# Altium PCB balenaFin_v1_x_x.PcbDoc (part 5 of 7) (continued)
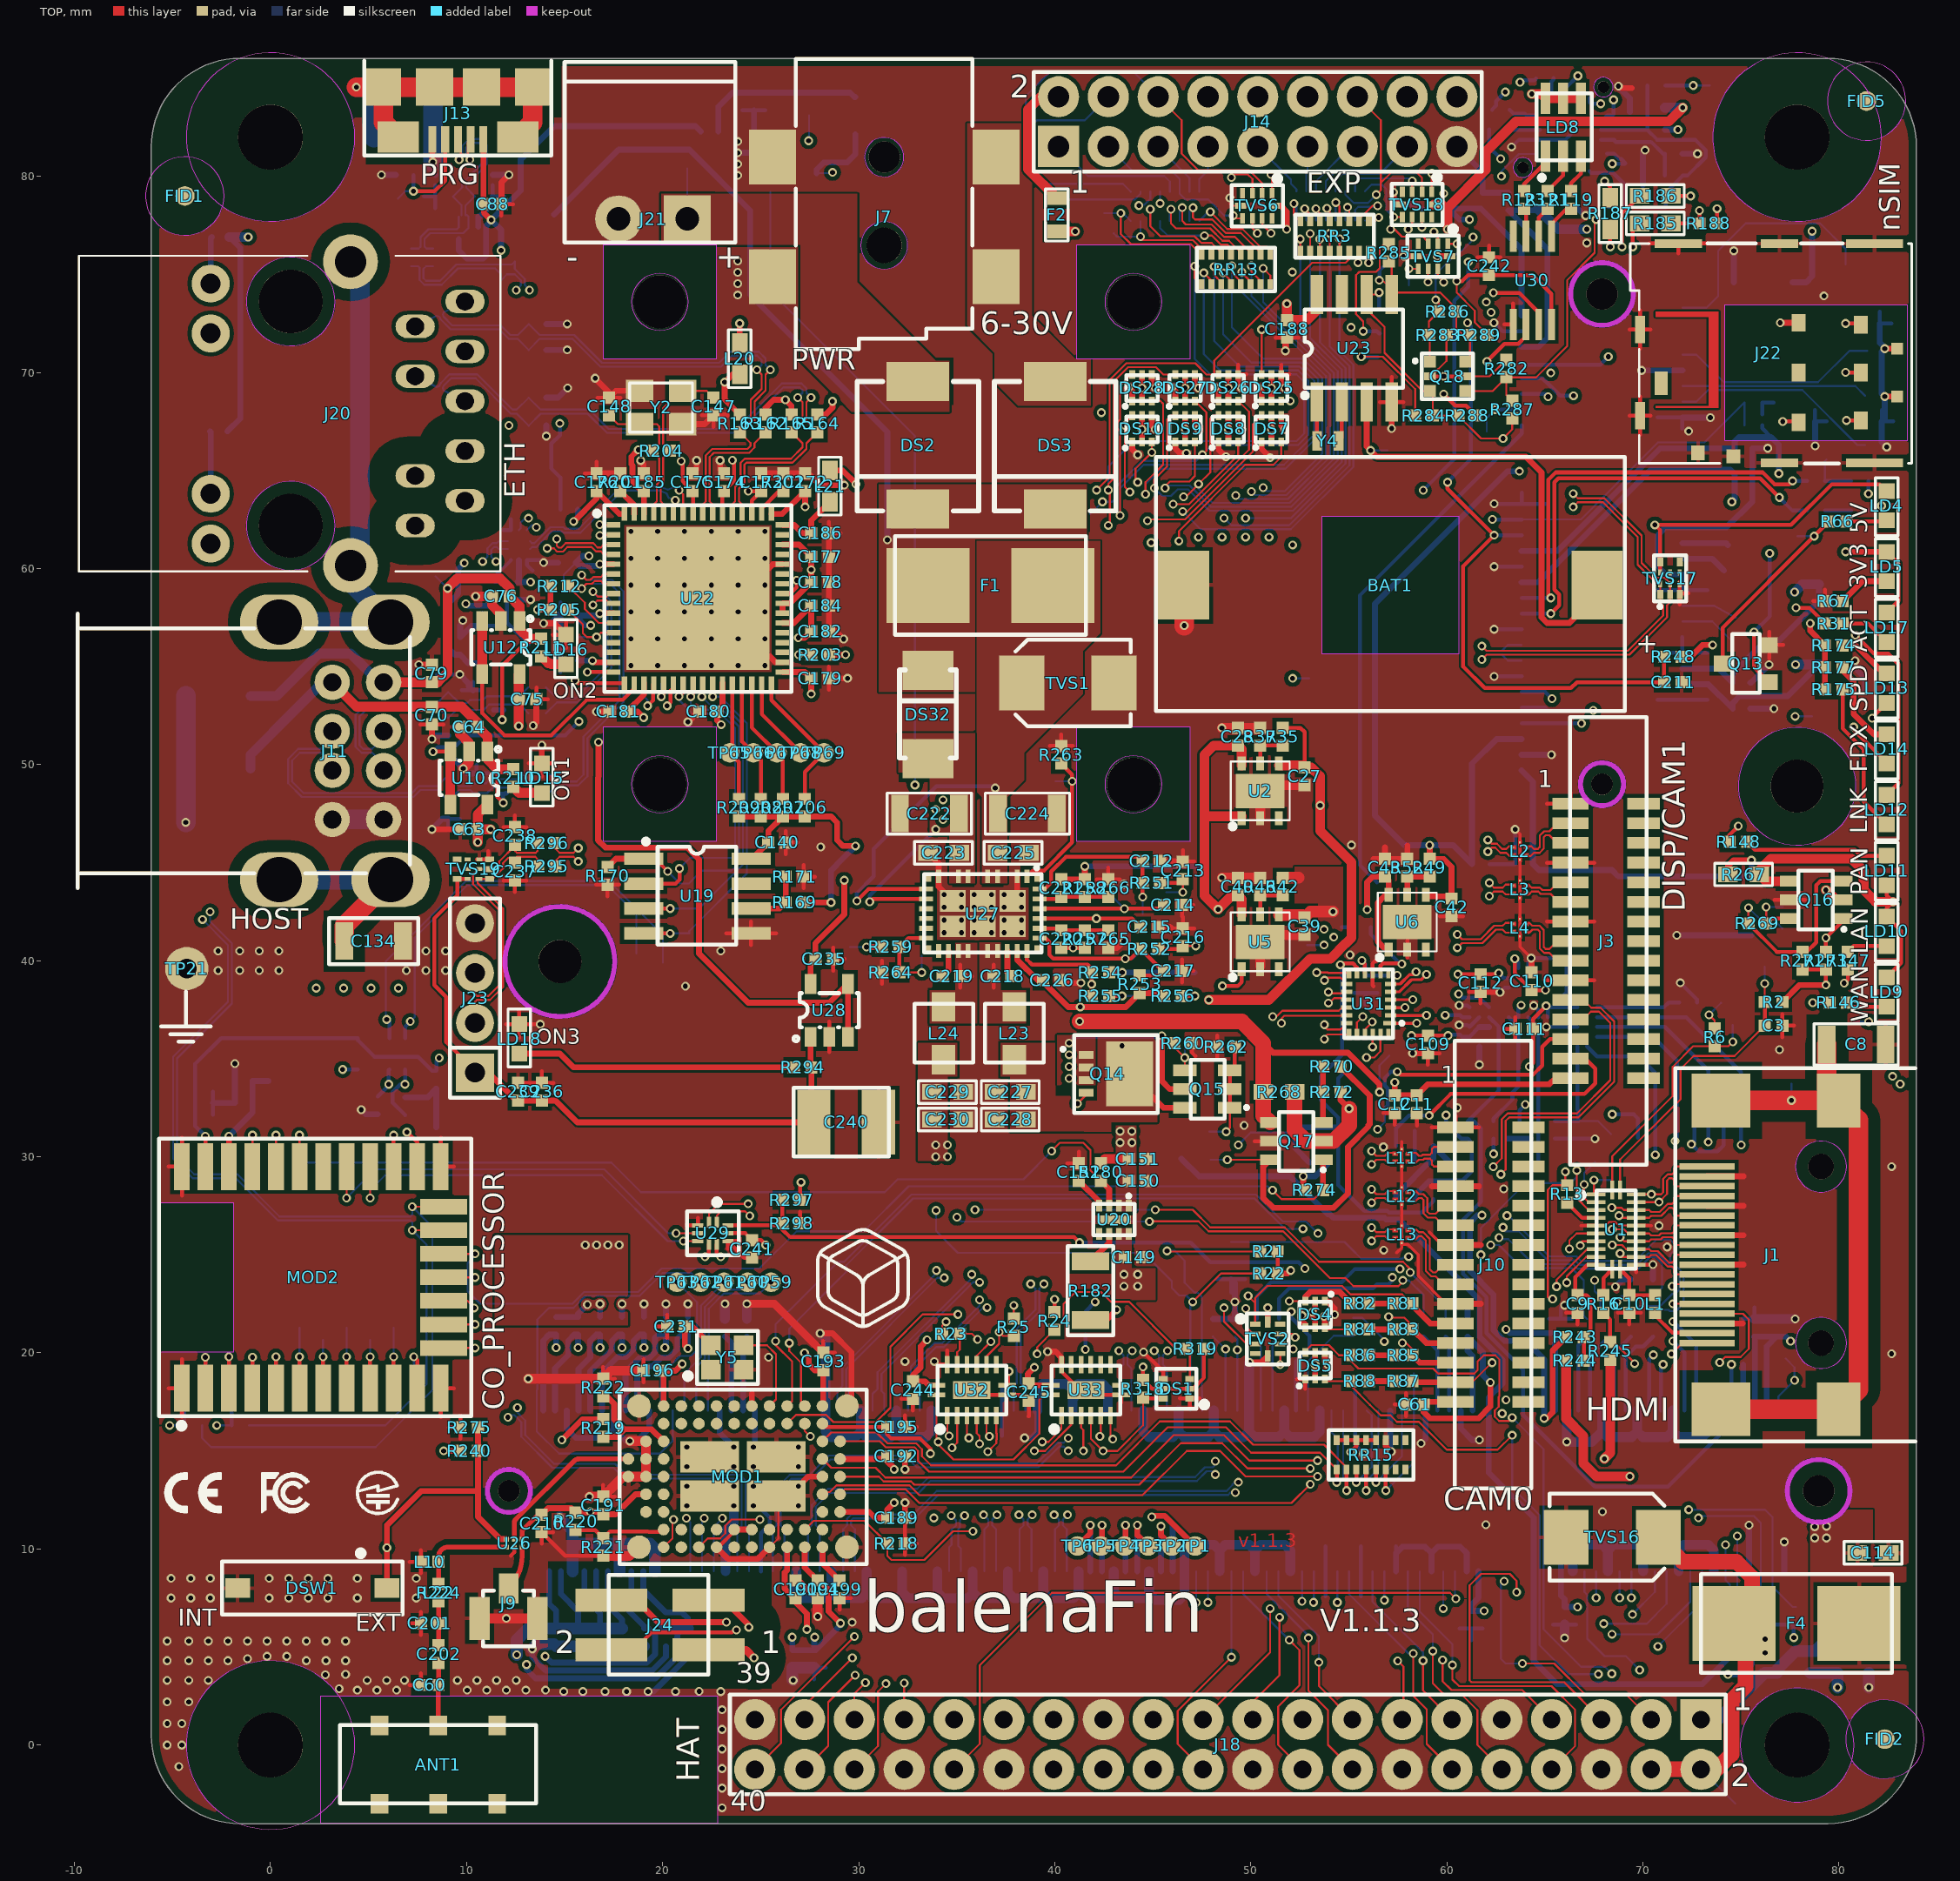
[diagram p0: TOP view]
## Nets (pads, with @x,y where several pads share a name; then routed paths per layer and width w, separated by ;. In a path a pad name is that pad's centre, name@x,y a point inside that pad or via, vN(x,y) a via of type N, cw(c..) or ccw(c..) an arc to the next point about the centre after c; other vN are vias at no path point) (continued)
NetC212_2: C212.2 pad.1@44.48,42.398 R251.1 R256.1 U27.32 | length 15.8
  TOP w0.2: U27.32@39.23,43.65 39.48,43.65 39.82,43.99 39.82,44.543 40.577,45.3 44.26,45.3 C212.2@44.48,45.08 R251.1@44.48,43.96 v1(44.48,43.25) ; R256.1@46.48,38.2 v1(47.142,38.2)
  INT1 w0.2: v1(44.48,43.25) 46.48,41.25 46.48,38.862 v1(47.142,38.2)
  BOTTOM w0.1: pad.1@44.48,42.398 v1(44.48,43.25)
NetC213_2: C213.2 pad.1@45.678,43.49 R251.2 | length 2.7
  TOP w0.1: v1(46.53,43.49) C213.2@46.53,44.15
  TOP w0.2: R251.2@45.38,43.96 46.34,43.96 C213.2@46.53,44.15
  BOTTOM w0.1: pad.1@45.678,43.49 v1(46.53,43.49)
NetC214_2: C214.2 pad.1@42.948,43.252 U27.30 | length 7.3
  TOP w0.2: U27.30@39.23,42.65 v1(43.55,42.65) 45.39,42.65 C214.2@45.58,42.84
  BOTTOM w0.1: pad.1@42.948,43.252 v1(43.55,42.65)
NetC215_2: C215.2 pad.1@41.268,42.15 U27.29 | length 6.2
  TOP w0.2: U27.29@39.23,42.15 v1(42.12,42.15) 43.95,42.15 C215.2@44.38,41.72
  BOTTOM w0.1: pad.1@41.268,42.15 v1(42.12,42.15)
NetC216_2: C216.2 pad.1@46.34,40.75 R252.2 | length 2.8
  TOP w0.1: C216.2@46.53,40.75 v1(47.192,40.75)
  TOP w0.2: R252.2@45.28,40.6 46.38,40.6 C216.2@46.53,40.75
  BOTTOM w0.1: pad.1@46.34,40.75 v1(47.192,40.75)
NetC217_2: C217.2 pad.1@44.367,40.471 R252.1 R253.1 U27.27 | length 10.1
  TOP w0.2: U27.27@39.23,41.15 39.53,41.15 39.73,40.95 39.73,40.3 39.93,40.1 v1(43.6,40.1) 43.88,40.1 R252.1@44.38,40.6 44.38,40.597 45.497,39.48 C217.2@45.58,39.48 45.35,39.25 R253.1@44.33,39.25
  BOTTOM w0.1: v1(43.6,40.1) 43.984,40.1 44.355,40.471 pad.1@44.367,40.471
NetC218_1: C218.1 U27.24 | length 1.4
  TOP w0.3: U27.24@37.58,40.5 37.58,39.4 C218.1@37.78,39.2
NetC218_2: C218.2 L23.1 U27.22 U27.23 | length 1.2
  TOP w0.2: 36.88,38.612 C218.2@36.88,39.2 36.88,39.788
NetC219_1: C219.1 U27.18 | length 1.4
  TOP w0.3: C219.1@34.28,39.2 34.58,39.5 U27.18@34.58,40.5
NetC219_2: C219.2 L24.1 U27.19 U27.20 | length 1.8
  TOP w0.2: 35.18,38.612 C219.2@35.18,39.2 ; 35.18,39.788 C219.2@35.18,39.2 ; 35.768,39.2 C219.2@35.18,39.2
NetC226_1: C226.1 pad.1@29.548,40.7 R253.2 R256.2 R259.2 U27.25 | length 32.8
  TOP w0.3: v1(30.4,40.7) R259.2@31.18,40.7 ; U27.25@38.08,40.5 38.08,40.05 39.13,39 C226.1@39.4,39 39.4,38.926 40.686,37.64 v1(41.3,37.64) 43.62,37.64 R253.2@44.33,38.35 45.43,38.35 R256.2@45.58,38.2
  INT1 w0.3: v1(30.4,40.7) 31.06,40.7 31.66,40.1 31.66,34.26 32.56,33.36 40.79,33.36 41.87,34.44 41.87,37.07 v1(41.3,37.64)
  BOTTOM w0.1: pad.1@29.548,40.7 v1(30.4,40.7)
NetDS2_1: DS2.1 DS3.1 DS32.1 DS33.1 F1.1 | length 32.4
  BOTTOM w0.3: DS33.1@14.46,78.06 17.76,81.36 21.361,81.36 24.46,78.261 24.46,73.96 31.46,66.96 v1(31.46,61.46)
NetDSW1_2: DSW1.2 pad.1@5.94,10.912 R240.1 R275.2 U26.6 | length 15.9
  TOP w0.3: DSW1.2@5.94,8 v1(5.94,10.06) 5.94,11.21 7.68,12.95 10.58,12.95 ; R275.2@10.58,16.2 R240.1@10.58,15 10.58,12.95 ; U26.6@12.03,10.5 11.72,10.5 10.58,11.64 10.58,12.95
  BOTTOM w0.2: v1(5.94,10.06) pad.1@5.94,10.912
NetF2_1: F2.1 J14.2 | length 7
  TOP w0.5: F2.1@40.1,78.89 38.63,80.36 38.63,83.4 39.29,84.06 J14.2@40.19,84.06
NetJ1_18: J1.18 L1.2 | length 3.2
  TOP w0.2: L1.2@70.62,22.04 70.62,21.909 71.504,21.025 73.245,21.025 J1.18@73.27,21
NetJ2_28: J2.28 R8.1 | length 4.6
  BOTTOM w0.2: J2.28@69.11,17.06 69.11,19.79 69.64,20.32 70,20.32 R8.1@70.51,20.83
NetJ2_30: J2.30 R9.1 | length 4.1
  BOTTOM w0.2: J2.30@68.51,17.06 68.51,19.95 R9.1@69.39,20.83
NetJ2_34: J2.34 R11.1 | length 4.2
  BOTTOM w0.2: J2.34@67.31,17.06 67.31,19.87 R11.1@68.27,20.83
NetJ2_36: J2.36 R12.1 | length 4
  BOTTOM w0.2: J2.36@66.71,17.06 66.71,20.39 R12.1@67.15,20.83
NetJ2_46: J2.46 R14.1 | length 3.8
  BOTTOM w0.2: R14.1@59.93,20.83 60.11,20.65 J2.46@60.11,17.06
NetJ2_48: J2.48 R15.1 | length 4.1
  BOTTOM w0.2: R15.1@58.81,20.83 59.51,20.13 J2.48@59.51,17.06
NetJ2_70: J2.70 R293.1 | length 5.4
  BOTTOM w0.1: J2.70@52.91,17.06 52.91,19.24 52.905,19.245 52.905,19.555 54.23,20.88 R293.1@55.23,20.88
NetJ2_76: J2.76 R17.1 | length 3.9
  BOTTOM w0.1: J2.76@51.11,17.06 51.11,20.51 R17.1@51.43,20.83
NetJ2_78: J2.78 R19.1 | length 3.9
  BOTTOM w0.1: R19.1@50.31,20.83 50.51,20.63 J2.78@50.51,17.06
NetJ2_88: J2.88 pad.1@46.62,23.58 Q1.3 R21.1 | length 14
  TOP w0.1: v1(45.73,25.2) 45.76,25.17 R21.1@50.47,25.17
  BOTTOM w0.1: v1(45.73,25.2) 46.12,25.2 Q1.3@46.62,24.7 pad.1@46.62,23.58 47.125,23.075 47.285,23.075 47.505,22.855 47.505,18.065 47.51,18.06 J2.88@47.51,17.06
NetJ2_93: J2.93 TP1.1 | length 6.5
  TOP w0.3: v1(44.95,11.63) 45.007,11.687 45.607,11.687 47.144,10.15 TP1.1@47.16,10.15
  BOTTOM w0.3: v1(44.95,11.63) 45.007,11.687 45.607,11.687 46.01,11.284 J2.93@46.01,8.86
NetJ2_95: J2.95 TP2.1 | length 3.5
  TOP w0.3: v1(45.419,11.157) 45.41,11.148 45.41,10.7 TP2.1@45.96,10.15
  BOTTOM w0.3: J2.95@45.41,8.86 45.41,11.148 v1(45.419,11.157)
NetJ2_99: J2.99 TP3.1 | length 3.6
  TOP w0.3: v1(44.21,11.212) 44.21,10.7 TP3.1@44.76,10.15
  BOTTOM w0.3: J2.99@44.21,8.86 v1(44.21,11.212)
NetJ2_101: J2.101 TP4.1 | length 3.4
  TOP w0.3: TP4.1@43.56,10.15 43.61,10.2 v1(43.61,11.212)
  BOTTOM w0.3: J2.101@43.61,8.86 v1(43.61,11.212)
NetJ2_105: J2.105 TP5.1 | length 3.4
  TOP w0.3: TP5.1@42.36,10.15 42.41,10.2 v1(42.41,11.212)
  BOTTOM w0.3: J2.105@42.41,8.86 v1(42.41,11.212)
NetJ2_107: J2.107 TP6.1 | length 3.7
  TOP w0.3: TP6.1@41.16,10.15 41.81,10.8 v1(41.81,11.212)
  BOTTOM w0.3: J2.107@41.81,8.86 v1(41.81,11.212)
NetJ2_166: J2.166 R28.1 | length 3.8
  BOTTOM w0.3: J2.166@24.11,17.06 24.11,20.64 R28.1@24.3,20.83
NetJ2_168: J2.168 R29.1 | length 3.9
  BOTTOM w0.3: R29.1@23.18,20.83 23.51,20.5 J2.168@23.51,17.06
NetJ9_1: J9.1 U26.3 | length 2.3
  TOP w0.25: J9.1@12.14,7.985 ccw(c10.474,9.651) 12.83,9.651 U26.3@12.83,10.1
NetJ13_4: J13.4 pad.1@6.5,78.87 R153.2 | length 5.7
  TOP w0.2: v1(7.29,79.24) 8.37,79.24 8.91,79.78 J13.4@8.91,81.875
  BOTTOM w0.1: pad.1@6.5,78.87 6.87,79.24 v1(7.29,79.24)
  BOTTOM w0.2: v1(7.29,79.24) R153.2@7.29,80.07
NetJ19_1: J19.1 pad.1@80.33,75.5 TP46.1 | length 12.8
  BOTTOM w0.1: J19.1@72.01,73.3 73.23,73.3 73.83,73.9 73.83,76.2 75.23,77.6 79.03,77.6 80.33,76.3 pad.1@80.33,75.5
NetJ19_7: J19.7 pad.1@81.43,71.1 TP50.1 | length 10.7
  BOTTOM w0.1: J19.7@72.01,70.9 72.722,70.9 74.122,69.5 78.93,69.5 80.53,71.1 pad.1@81.43,71.1
NetJ19_10: J19.10 R185.1 | length 13.8
  TOP w0.2: v1(69.48,76.4) 69.48,77.25 R185.1@69.83,77.6
  INT1 w0.2: v1(66.455,68.81) 66.51,68.865 66.51,69.3 67.23,70.02 67.23,70.83 70.23,73.83 70.23,75.65 v1(69.48,76.4)
  BOTTOM w0.2: J19.10@63.81,69.7 64.864,69.7 65.014,69.55 65.03,69.55 65.77,68.81 v1(66.455,68.81)
NetJ19_11: J19.11 pad.1@81.33,68.8 TP47.1 | length 9.5
  BOTTOM w0.1: J19.11@72.01,69.3 80.83,69.3 pad.1@81.33,68.8
NetJ19_12: J19.12 R186.1 | length 14.4
  TOP w0.2: v1(68.93,76.4) 68.93,78.1 R186.1@69.83,79
  INT1 w0.2: v1(65.162,68.76) 65.46,68.76 66.21,69.51 66.21,74.78 67.13,75.7 68.231,75.7 v1@68.93,76.399
  BOTTOM w0.2: J19.12@63.81,68.9 65.022,68.9 v1(65.162,68.76)
NetJ19_13: J19.13 pad.1@81.33,66.3 TP49.1 | length 10.7
  BOTTOM w0.1: J19.13@72.01,68.5 72.722,68.5 73.322,69.1 78.13,69.1 80.93,66.3 pad.1@81.33,66.3
NetJ19_14: J19.14 pad.1@62.03,67 R187.1 | length 15.8
  TOP w0.2: v1(68.33,76.4) R187.1@68.33,77.3
  INT1 w0.2: v1(62.458,68.1) 63.858,69.5 65.5,69.5 65.85,69.85 65.85,74.844 67.006,76 67.93,76 v1(68.33,76.4)
  BOTTOM w0.1: pad.1@62.03,67 62.03,67.672 v1(62.458,68.1)
  BOTTOM w0.2: v1(62.458,68.1) J19.14@63.81,68.1
NetJ19_16: J19.16 pad.1@56.43,44 TP64.1 | length 27.1
  BOTTOM w0.2: pad.1@56.43,44 55.555,44.875 55.555,58.625 63.81,66.88 J19.16@63.81,67.3
NetJ19_20: J19.20 pad.1@60.37,70.58 R246.1 R247.2 R249.1 | length 41.1
  INT1 w0.2: v1(58.79,63.99) 59.18,63.6 60.58,63.6 61.68,62.5 v1(62.32,62.5)
  INT2 w0.1: v1(61.09,75.63) 61.09,75.997 62.19,77.097 62.19,80.55 62.535,80.895 v1(62.745,80.895)
  BOTTOM w0.1: J19.20@63.81,62.5 66.83,62.5 70.76,66.43 73.132,66.43 75.162,68.46 R247.2@75.18,68.46 R246.1@75.18,67.3
  BOTTOM w0.2: v1(58.79,63.99) 60.37,65.57 pad.1@60.37,70.58 60.37,73.65 61.09,74.37 v1(61.09,75.63) ; R249.1@62.15,82.4 62.15,81.49 v1(62.745,80.895) ; v1(62.32,62.5) J19.20@63.81,62.5
NetJ19_23: J19.23 TP55.1 | length 2.4
  BOTTOM w0.3: J19.23@72.01,61.3 74.23,61.3 TP55.1@74.33,61.2
NetJ19_25: J19.25 TP56.1 | length 2.4
  BOTTOM w0.3: J19.25@72.01,60.5 73.53,60.5 TP56.1@74.13,59.9
NetJ19_30: J19.30 R142.1 | length 21.2
  TOP w0.2: v1(65.3,58.5) 65.175,58.625 65.175,64.524 65.551,64.9 76.104,64.9 76.704,64.3 77.46,64.3 v1(77.63,64.47)
  BOTTOM w0.2: J19.30@63.81,58.5 v1(65.3,58.5) ; v1(77.63,64.47) R142.1@78.38,64.47
NetJ19_31: J19.31 TP57.1 | length 2.9
  BOTTOM w0.1: J19.31@72.01,58.1 73.655,58.1 73.641,58.096 TP57.1@74.73,57.5
NetJ19_32: J19.32 R144.1 | length 22.1
  TOP w0.2: v1(65.3,57.7) 65.725,58.125 65.725,58.676 65.475,58.926 65.475,64.4 65.675,64.6 75.98,64.6 v1(76.955,63.625)
  BOTTOM w0.2: J19.32@63.81,57.7 v1(65.3,57.7) ; v1(76.955,63.625) 77.63,62.95 R144.1@78.38,62.95
NetJ19_33: J19.33 pad.1@74.53,56.3 TP58.1 | length 2.9
  BOTTOM w0.1: J19.33@72.01,57.3 73.53,57.3 TP58.1@74.53,56.3
NetJ19_42: J19.42 R146.1 | length 25.5
  TOP w0.2: v1(78.66,37.86) R146.1@79.51,37.86
  INT4 w0.2: v1(65.36,53.36) 65.36,52.26 66.26,51.36 67.86,51.36 69.86,49.36 69.86,44.86 74.76,39.96 76.56,39.96 v1(78.66,37.86)
  BOTTOM w0.2: J19.42@63.81,53.7 65.02,53.7 v1(65.36,53.36)
NetJ19_44: J19.44 R147.1 | length 25.3
  TOP w0.2: v1(80.26,38.86) 80.45,39.05 R147.1@80.45,39.55
  INT4 w0.2: v1(67.46,52.76) 71.76,48.46 71.76,44.66 75.36,41.06 78.06,41.06 v1(80.26,38.86)
  BOTTOM w0.2: J19.44@63.81,52.9 65.02,52.9 65.16,52.76 v1(67.46,52.76)
NetJ19_46: J19.46 R148.1 | length 15.9
  TOP w0.2: R148.1@74.41,46.06 74.41,46.41 v1(74.86,46.86)
  INT4 w0.2: v1(66.86,52.1) 66.86,53.06 67.26,53.46 68.26,53.46 v1(74.86,46.86)
  BOTTOM w0.2: J19.46@63.81,52.1 v1(66.86,52.1)
NetJ20_11: J20.11 R307.1 | length 2.4
  BOTTOM w0.3: J20.11@-3.05,74.53 -3.05,76.84 R307.1@-2.99,76.9
NetJ20_13: J20.13 R308.2 | length 3.2
  BOTTOM w0.3: R308.2@-3.09,67 -3.05,66.96 J20.13@-3.05,63.81
NetL10_2: L10.2 L22.1 R224.1 U26.1 | length 5.1
  TOP w0.24: R224.1@8.57,8.22 L10.2@8.57,9.34
  TOP w0.25: L10.2@8.57,9.34 8.57,9.6 cw(c9.07,9.6) 9.07,10.1 U26.1@12.03,10.1
NetLD4_1: LD4.1 R66.2 | length 2.1
  TOP w0.2: R66.2@80.38,62.4 82.38,62.4 LD4.1@82.43,62.45
NetLD5_1: LD5.1 R67.2 | length 2.7
  TOP w0.3: R67.2@80.18,58.34 81.19,59.35 LD5.1@82.43,59.35
NetLD8_1: LD8.1 R123.1 | length 2.2
  TOP w0.2: R123.1@63.93,79.25 63.93,79.6 65.03,80.7 LD8.1@65.03,81.025
NetLD8_2: LD8.2 R121.1 | length 2.1
  TOP w0.2: R121.1@65.13,79.25 65.93,80.05 LD8.2@65.93,81.025
NetLD8_3: LD8.3 R119.1 | length 2
  TOP w0.2: R119.1@66.33,79.25 66.33,79.64 66.83,80.14 LD8.3@66.83,81.025
NetLD9_1: LD9.1 R146.2 | length 2.1
  TOP w0.2: R146.2@80.41,37.86 80.62,37.65 LD9.1@82.43,37.65
NetLD10_1: LD10.1 R147.2 | length 2.1
  TOP w0.2: R147.2@80.45,40.45 80.75,40.75 LD10.1@82.43,40.75
NetLD11_1: LD11.1 R148.2 | length 7.4
  TOP w0.2: R148.2@75.31,46.06 75.71,45.66 80.804,45.66 81.114,45.35 LD11.1@82.43,45.35
NetLD12_2: LD12.2 R175.1 | length 7.8
  TOP w0.2: R175.1@80.18,53.84 80.18,51.85 81.26,50.77 81.26,48.12 LD12.2@82.43,46.95
NetLD13_2: LD13.2 R174.1 | length 2.8
  TOP w0.3: R174.1@80.18,56.08 80.85,56.08 82.28,54.65 LD13.2@82.43,54.65
NetLD14_1: LD14.1 pad.1@18.77,53.76 U22.20 | length 80.7
  TOP w0.2: v1(19.23,53) 19.505,53.275 19.505,54.115 U22.20@19.55,54.16 ; v1(80.745,51.915) 80.745,51.784 82.43,50.099 LD14.1@82.43,50.05
  INT1 w0.1: v1(19.23,53) 19.23,53.293 19.983,54.046 24.384,54.046 27.452,50.978 38.042,50.978 42.539,55.475 58.949,55.475 63.304,59.83 79.366,59.83 82.14,57.056 82.14,52.29 81.765,51.915 v1(80.745,51.915)
  BOTTOM w0.1: pad.1@18.77,53.76 19.23,53.3 v1(19.23,53)
NetLD14_2: LD14.2 R177.1 | length 4.7
  TOP w0.3: R177.1@80.18,54.96 80.18,54.814 80.74,54.254 80.74,52.592 81.782,51.55 LD14.2@82.43,51.55
NetLD15_2: LD15.2 R210.1 | length 1.6
  TOP w0.5: R210.1@12.38,48.86 12.68,48.56 LD15.2@13.84,48.56
NetLD16_2: LD16.2 R211.1 | length 1.4
  TOP w0.5: R211.1@13.81,55.52 14.153,55.177 14.25,55.177 14.307,55.12 LD16.2@15.07,55.12
NetLD17_1: LD17.1 R31.2 | length 2.6
  TOP w0.2: R31.2@80.18,57.2 81.48,57.2 LD17.1@82.43,56.25
NetLD18_2: LD18.2 R294.1 | length 14.3
  TOP w0.3: LD18.2@12.69,35.26 14.76,35.26 15.46,34.56 R294.1@26.69,34.56
NetMOD1_E1: MOD1.E1 Y5.3 | length 4.6
  TOP w0.1: Y5.3@24.125,20.385 25.33,20.385 25.784,19.93 25.784,17.624 MOD1.E1@25.45,17.29
NetMOD1_L3: MOD1.L3 R219.2 R222.2 | length 5.7
  TOP w0.3: R219.2@16.97,15.72 17.65,15.72 18.03,16.1 ; R222.2@16.97,17.78 17.15,17.78 17.53,17.4 17.53,16.6 18.03,16.1 ; MOD1.L3@20.05,15.49 19.44,16.1 18.03,16.1
NetMOD1_L8: MOD1.L8 R220.2 R221.2 | length 4.9
  TOP w0.2: R220.2@15.56,10.96 16.56,10.96 R221.2@16.97,10.55 17.32,10.9 19.259,10.9 19.284,10.875 19.935,10.875 20,10.94 MOD1.L8@20.05,10.99
NetMOD2_2: MOD2.2 R312.1 | length 3.8
  TOP w0.2: MOD2.2@-3.32,18.2 v1(-3.32,19.78)
  BOTTOM w0.2: R312.1@-3.49,17.6 -3.32,17.77 v1(-3.32,19.78)
NetMOD2_4: MOD2.4 R313.1 | length 3.8
  TOP w0.2: MOD2.4@-0.92,18.2 v1(-0.92,19.78)
  BOTTOM w0.2: R313.1@-1.09,17.6 -0.92,17.77 v1(-0.92,19.78)
NetQ2_1: pad.1@26.15,84.27 Q2.1 R32.2 R237.1 | length 8.6
  BOTTOM w0.3: R237.1@22.845,82.285 22.845,83.555 23.56,84.27 R32.2@24.66,84.27 pad.1@26.15,84.27 29.565,84.27 29.785,84.05 Q2.1@29.835,84.05
NetQ2_2: pad.1@29.56,80.86 Q2.2 Q3.3 R31.1 | length 73.2
  TOP w0.2: v1(77.805,58) 78.48,58 R31.1@79.28,57.2
  INT2 w0.1: v1(28.662,80.2) 28.662,73.868 32.08,70.45 47.014,70.45 48.064,71.5 70.969,71.5 74.04,68.429 74.04,64.89 78.105,60.825 78.105,58.3 v1(77.805,58)
  BOTTOM w0.1: Q3.3@27.86,80.16 28.59,80.16 28.63,80.2 v1(28.662,80.2)
  BOTTOM w0.3: Q3.3@27.86,80.16 27.86,80.35 28.212,80.702 29.402,80.702 pad.1@29.56,80.86 29.835,81.135 Q2.2@29.835,82.15
NetQ6_3: Q6.3 R113.2 U13.10 | length 5.6
  BOTTOM w0.2: U13.10@12.27,60.421 11.43,59.581 R113.2@11.43,59.31 11.86,59.31 12.06,59.11 12.06,57.24 Q6.3@13.18,56.12
NetQ13_3: pad.1@77.878,61.65 Q13.3 R66.1 | length 10.3
  TOP w0.2: Q13.3@74.06,55.15 74.06,56.98 v1(78.73,61.65) R66.1@79.48,62.4
  BOTTOM w0.1: pad.1@77.878,61.65 v1(78.73,61.65)
NetQ14_4: pad.1@46.63,35.904 Q14.4 Q15.4 R260.2 | length 9.6
  TOP w0.1: v1(41.155,32.709) 41.595,33.149 Q14.4@41.595,33.255 ; R260.2@46.09,35.79 46.09,35.592 v1(46.63,35.052) Q15.4@46.63,34.4
  INT1 w0.1: v1(41.155,32.709) 44.287,32.709 v1(46.63,35.052)
  BOTTOM w0.1: v1(46.63,35.052) pad.1@46.63,35.904
NetQ15_1: pad.1@47.888,31.28 Q15.1 Q15.2 Q15.3 R262.2 | length 5.4
  TOP w0.1: v1(48.74,31.28) 48.93,31.47 Q15.1@48.93,32.5
  TOP w0.2: Q15.1@48.93,32.5 Q15.2@48.93,33.45 Q15.3@48.93,34.4 49.18,34.65 R262.2@49.18,35.6
  BOTTOM w0.1: pad.1@47.888,31.28 v1(48.74,31.28)
NetQ16_3: pad.1@77.108,41.64 Q16.3 R269.1 R271.1 | length 11.6
  TOP w0.1: R269.1@75.38,41.9 v1(75.38,42.7)
  TOP w0.2: R269.1@75.38,41.9 75.38,41.897 76.827,40.45 R271.1@78.13,40.45 78.35,40.45 78.83,40.93 78.83,43.85 79.03,44.05 Q16.3@80.18,44.05
  BOTTOM w0.1: v1(75.38,42.7) 76.18,41.9 76.848,41.9 pad.1@77.108,41.64
NetQ16_6: pad.1@77.132,42.74 Q16.6 R269.2 | length 3
  TOP w0.1: R269.2@76.28,41.9 v1(76.28,42.74)
  TOP w0.2: R269.2@76.28,41.9 76.53,42.15 Q16.6@77.48,42.15
  BOTTOM w0.1: v1(76.28,42.74) pad.1@77.132,42.74
NetQ17_3: Q17.3 R270.1 R272.1 | length 2.8
  TOP w0.3: Q17.3@53.68,31.75 R272.1@53.68,33.3 R270.1@53.68,34.6
NetQ17_6: pad.1@47.948,29.85 Q17.6 R270.2 | length 17.5
  TOP w0.1: v1(48.8,29.85) Q17.6@50.98,29.85
  TOP w0.3: Q17.6@50.98,29.85 50.63,29.5 50.63,27.9 51.13,27.4 54.23,27.4 54.96,28.13 54.96,30.5 55.985,31.525 55.985,31.597 56.06,31.672 56.06,33.12 R270.2@54.58,34.6
  BOTTOM w0.1: pad.1@47.948,29.85 v1(48.8,29.85)
NetQ20_3: Q20.3 Q20.6 R316.1 | length 5.3
  BOTTOM w0.3: Q20.3@57.41,27.85 57.41,28.029 59.31,29.929 Q20.6@59.31,30.55 60.21,29.65 R316.1@60.76,29.65
NetR1_2: R1.2 R3.2 R183.2 R184.2 | length 3.9
  BOTTOM w0.2: R1.2@73.03,5.14 74.15,5.14 R183.2@74.43,5.42 74.43,6.36 R3.2@74.64,6.57
  BOTTOM w0.3: R183.2@74.43,5.42 R184.2@75.55,5.42
NetR6_2: pad.1@74.58,36.712 R6.2 U1.24 | length 12
  TOP w0.1: U1.24@68.435,28.315 68.435,30.025 71.51,33.1 71.51,34.59 72.56,35.64 R6.2@73.66,35.64 74.36,35.64 v1(74.58,35.86)
  BOTTOM w0.1: v1(74.58,35.86) pad.1@74.58,36.712
NetR13_2: R13.2 U1.4 | length 1.8
  TOP w0.2: R13.2@66.13,27.65 66.89,26.89 U1.4@67.61,26.89
NetR16_2: R16.2 U1.11 | length 1.5
  TOP w0.2: R16.2@67.98,22.94 67.98,23.81 U1.11@68.435,24.265
NetR23_2: R23.2 R24.1 | length 7.7
  TOP w0.1: R23.2@34.26,20.97 34.26,21.385 v1(34.46,21.585)
  TOP w0.2: R24.1@39.99,22.08 v1(39.99,22.73)
  INT3 w0.2: v1(34.46,21.585) 34.51,21.535 36.835,21.535 37.16,21.86 37.16,22.273 37.734,22.847 39.873,22.847 v1(39.99,22.73)
NetR25_2: R25.2 R26.1 | length 6.3
  TOP w0.1: R25.2@37.91,21.76 v1(37.91,22.422)
  INT3 w0.2: v1(37.91,22.422) 37.91,22.36 38.32,21.95 41.41,21.95 v1(42.06,22.6)
  BOTTOM w0.2: R26.1@41.56,21.85 41.56,22.1 v1(42.06,22.6)
NetR35_1: R35.1 R37.2 U2.5 | length 2.2
  TOP w0.2: U2.5@50.48,49.96 R37.2@50.48,50.97 R35.1@51.62,50.97
NetR42_1: R42.1 R46.2 U5.5 | length 2.2
  TOP w0.2: U5.5@50.48,42.32 R46.2@50.48,43.33 R42.1@51.62,43.33
NetR49_1: R49.1 R52.2 U6.5 | length 2.2
  TOP w0.3: U6.5@57.98,43.28 57.98,43.505 R52.2@57.98,44.29 R49.1@59.12,44.29
NetR81_2: R81.2 R82.1 | length 1.3
  TOP w0.3: R82.1@56.02,22.52 R81.2@57.34,22.52
NetR83_2: R83.2 R84.1 | length 1.3
  TOP w0.3: R84.1@56.02,21.2 R83.2@57.34,21.2
NetR85_2: R85.2 R86.1 | length 1.3
  TOP w0.3: R86.1@56.02,19.88 R85.2@57.34,19.88
NetR87_2: R87.2 R88.1 | length 1.3
  TOP w0.3: R88.1@56.02,18.56 R87.2@57.34,18.56
NetR128_1: R128.1 RR4.1 TP70.1 | length 8
  INT1 w0.2: v1(6.53,38.6) 6.53,34.028 v1(6.86,33.698)
  BOTTOM w0.2: RR4.1@6.86,34.45 v1(6.86,33.698) 6.631,33.698 6.23,33.297 6.23,32.767 6.867,32.13 R128.1@6.87,32.13
NetR132_1: R132.1 RR4.2 TP71.1 | length 6.9
  INT1 w0.2: v1(5.13,38.6) 5.13,34.598 v1(6.03,33.698)
  BOTTOM w0.2: R132.1@5.47,33.07 6.03,33.63 v1(6.03,33.698) 6.03,34.42 RR4.2@6.06,34.45
NetR139_2: R139.2 U17.A6 | length 4.3
  BOTTOM w0.2: U17.A6@67.65,37.62 71.063,37.62 71.313,37.87 R139.2@71.85,37.87
NetR140_2: R140.2 U17.J5 | length 6.8
  INT2 w0.2: v1(63.783,37.73) 63.783,32.887 v1(64,32.67)
  BOTTOM w0.2: U17.J5@63.65,37.12 63.65,37.597 v1(63.783,37.73) ; R140.2@63.7,31.82 63.7,32.37 v1(64,32.67)
NetR142_2: pad.1@79.36,65.56 R142.2 R143.1 | length 2.4
  BOTTOM w0.1: R142.2@79.28,64.47 79.28,65.48 pad.1@79.36,65.56
  BOTTOM w0.2: R142.2@79.28,64.47 R143.1@80.6,64.47
NetR144_2: R144.2 R145.1 | length 1.3
  BOTTOM w0.2: R144.2@79.28,62.95 R145.1@80.6,62.95
NetR169_1: R169.1 R171.2 U19.6 | length 3.2
  TOP w0.3: U19.6@24.516,42.66 25.97,42.66 R169.1@26.28,42.97 R171.2@26.28,44.29
NetR182_1: R182.1 U20.6 | length 1.8
  TOP w0.3: R182.1@41.82,24.67 42.77,25.62 U20.6@42.77,26.065
NetR201_1: R201.1 U22.63 | length 1.5
  TOP w0.3: R201.1@17.83,63.95 18.55,63.23 U22.63@18.55,62.78
NetR202_1: R202.1 U22.50 | length 1.7
  TOP w0.2: U22.50@25.05,62.78 25.05,63.048 25.952,63.95 R202.1@26.15,63.95
NetR203_1: pad.1@27.782,55.6 R203.1 U22.41 | length 7
  TOP w0.2: U22.41@26.11,58.72 26.505,58.72 26.83,59.045 v1(26.83,59.4) ; v1(26.93,55.6) R203.1@27.58,55.6
  INT1 w0.2: v1(26.83,59.4) 27.43,58.8 27.43,56.1 v1(26.93,55.6)
  BOTTOM w0.1: v1(26.93,55.6) pad.1@27.782,55.6
NetR206_1: R206.1 TP69.1 U22.32 | length 7.4
  TOP w0.2: U22.32@25.55,54.16 25.55,53.28 TP69.1@28.23,50.6 27.25,49.62 R206.1@27.25,48.25
NetR207_1: R207.1 TP67.1 U22.30 | length 6.6
  TOP w0.2: U22.30@24.55,54.16 24.55,51.88 TP67.1@25.83,50.6 26.13,50.3 R207.1@26.13,48.25
NetR208_1: R208.1 TP66.1 U22.29 | length 6.3
  TOP w0.2: U22.29@24.05,54.16 24.05,51.18 TP66.1@24.63,50.6 25.01,50.22 R208.1@25.01,48.25
NetR209_1: R209.1 TP65.1 U22.28 | length 6.2
  TOP w0.2: U22.28@23.55,54.16 23.55,50.72 TP65.1@23.43,50.6 23.89,50.14 R209.1@23.89,48.25
NetR212_1: R212.1 U22.11 | length 3.3
  TOP w0.1: R212.1@15.18,59.1 16.03,58.25 16.03,57.933 16.743,57.22 U22.11@17.49,57.22
NetR229_2: R229.2 R230.1 U25.15 | length 4.7
  BOTTOM w0.2: U25.15@67.85,81.869 68.55,81.869 68.55,81.807 68.601,81.757 70.416,81.757 71.023,81.15 R229.2@71.12,81.15 R230.1@71.12,80.03
NetR231_2: pad.1@73.415,84.633 R231.2 R233.1 U25.16 | length 10.5
  INT1 w0.2: v1(68.43,80.638) 68.43,81.7 71.363,84.633 v1(72.563,84.633)
  BOTTOM w0.1: v1(72.563,84.633) pad.1@73.415,84.633
  BOTTOM w0.2: U25.16@68.163,81.144 68.523,81.144 68.787,80.88 68.89,80.88 R231.2@69.1,80.67 69.068,80.638 v1(68.43,80.638) ; R233.1@71.13,84.633 v1(72.563,84.633)
NetR232_2: pad.1@67.96,78.66 R232.2 R234.1 U25.1 | length 4.5
  BOTTOM w0.1: pad.1@67.96,78.66 68.22,78.4 R234.1@69.08,78.4
  BOTTOM w0.2: U25.1@67.275,80.256 67.275,80.255 67.352,80.177 68.473,80.177 R232.2@69.1,79.55 69.1,78.42 R234.1@69.08,78.4
NetR254_1: pad.1@41.88,39.652 R254.1 R255.1 U27.26 | length 6.2
  TOP w0.2: U27.26@38.58,40.5 38.58,40.05 38.83,39.8 41.68,39.8 41.88,39.6 R254.1@41.88,39.4 v1(41.88,38.8) R255.1@41.88,38.2
  BOTTOM w0.1: v1(41.88,38.8) pad.1@41.88,39.652
NetR259_1: pad.1@33.21,40.252 R259.1 R264.2 U27.16 | length 4.8
  TOP w0.1: R264.2@32.08,39.4 v1(33.21,39.4)
  TOP w0.2: R264.2@32.08,39.4 R259.1@32.08,40.7 32.53,41.15 U27.16@33.43,41.15
  BOTTOM w0.1: v1(33.21,39.4) pad.1@33.21,40.252
NetR263_2: pad.1@40.033,49.15 R263.2 U27.1 | length 8.1
  TOP w0.2: U27.1@38.58,44.3 38.58,44.308 38.872,44.6 39.453,44.6 40.885,46.032 v1(40.885,49.15) 40.885,49.495 R263.2@40.33,50.05
  BOTTOM w0.1: pad.1@40.033,49.15 v1(40.885,49.15)
NetR309_2: R309.2 U31.8 | length 4.1
  TOP w0.2: U31.8@56.61,39.378 56.61,39.75 ; 56.621,39.739 56.743,39.86 57.671,39.86 v1(57.699,39.832)
  BOTTOM w0.2: R309.2@56.11,41.7 56.11,41.35 57.628,39.832 v1(57.699,39.832)
NetR311_2: R311.2 U25.9 | length 1.1
  BOTTOM w0.2: U25.9@65.325,83.982 65.325,84.825 65.44,84.94 R311.2@65.44,85
NetRR2_1: RR2.1 RR3.9 | length 1.4
  TOP w0.1: RR3.9@56.02,77.7 56.322,77.7 v1(56.522,77.9)
  BOTTOM w0.1: RR2.1@55.82,77.74 56.362,77.74 v1(56.522,77.9)
NetRR2_2: RR2.2 RR3.10 | length 3.1
  TOP w0.1: RR3.10@55.52,77.7 55.52,77.812 56.208,78.5 v1(56.46,78.5)
  BOTTOM w0.1: RR2.2@55.32,77.74 55.32,78.286 55.474,78.44 56.4,78.44 v1(56.46,78.5)
NetRR2_3: RR2.3 RR3.11 | length 1.5
  TOP w0.1: v1(54.93,78.426) 55.02,78.336 RR3.11@55.02,77.7
  BOTTOM w0.1: RR2.3@54.82,77.74 54.82,78.316 v1(54.93,78.426)
NetRR2_4: RR2.4 RR3.12 | length 2
  TOP w0.1: v1(54.337,78.665) 54.337,78.66 54.52,78.477 RR3.12@54.52,77.7
  BOTTOM w0.1: RR2.4@54.32,77.74 54.32,78.648 v1(54.337,78.665)
NetRR2_5: RR2.5 RR3.13 | length 1.4
  TOP w0.1: v1(53.879,78.361) 54.02,78.22 RR3.13@54.02,77.7
  BOTTOM w0.1: RR2.5@53.82,77.74 53.82,78.29 53.879,78.349 v1(53.879,78.361)
NetRR2_6: RR2.6 RR3.14 | length 1.3
  TOP w0.1: v1(53.32,78.342) 53.32,78.313 53.52,78.113 RR3.14@53.52,77.7
  BOTTOM w0.1: RR2.6@53.32,77.74 v1(53.32,78.342)
NetRR2_7: RR2.7 RR3.15 | length 1.4
  TOP w0.1: v1(52.75,78.342) 52.75,78.32 53.02,78.05 RR3.15@53.02,77.7
  BOTTOM w0.1: v1(52.75,78.342) 52.75,78.32 52.82,78.25 RR2.7@52.82,77.74
NetRR2_8: RR2.8 RR3.16 | length 2
  TOP w0.1: v1(52.197,78.606) 52.197,78.023 RR3.16@52.52,77.7
  BOTTOM w0.1: v1(52.197,78.606) 52.32,78.483 RR2.8@52.32,77.74
NetRR4_4: RR4.4 TP72.1 | length 5
  INT1 w0.2: v1(3.68,34.45) 3.73,34.5 v1(3.73,38.6)
  BOTTOM w0.2: v1(3.68,34.45) RR4.4@4.46,34.45
NetRR13_9: RR13.9 RR14.1 | length 4.8
  TOP w0.1: v1(47.93,78.188) 48.803,77.315 49.57,77.315 50.485,76.4 50.802,76.4 50.99,76.212 RR13.9@50.99,76
  BOTTOM w0.1: RR14.1@47.37,77.72 47.838,78.188 v1(47.93,78.188)
NetRR13_10: RR13.10 RR14.2 | length 5.5
  TOP w0.1: v1(47.051,78.398) 47.051,77.903 47.151,77.802 48.032,77.802 48.72,77.115 49.487,77.115 50.49,76.112 RR13.10@50.49,76
  BOTTOM w0.1: RR14.2@46.87,77.72 46.87,78.218 v1(47.051,78.398)
NetRR13_11: RR13.11 RR14.3 | length 5.7
  TOP w0.1: v1(46.501,78.405) 46.501,77.729 46.68,77.55 48.002,77.55 48.637,76.915 49.187,76.915 49.99,76.112 RR13.11@49.99,76
  BOTTOM w0.1: RR14.3@46.37,77.72 46.37,78.274 v1(46.501,78.405)
NetRR13_12: RR13.12 RR14.4 | length 5.6
  TOP w0.1: v1(45.93,78.322) 45.93,77.6 46.18,77.35 47.919,77.35 48.554,76.715 48.887,76.715 49.49,76.112 RR13.12@49.49,76
  BOTTOM w0.1: RR14.4@45.87,77.72 45.87,78.262 v1(45.93,78.322)
NetRR13_13: RR13.13 RR14.5 | length 4.7
  TOP w0.1: v1(47.63,76.975) 48.011,76.975 48.471,76.515 48.804,76.515 48.99,76.329 RR13.13@48.99,76
  BOTTOM w0.1: RR14.5@45.37,77.72 45.37,77.36 45.755,76.975 v1(47.63,76.975)
NetRR13_14: RR13.14 RR14.6 | length 5.8
  TOP w0.1: v1(44.87,78.322) 44.87,77.46 45.38,76.95 47.125,76.95 47.475,76.6 48.002,76.6 48.49,76.112 RR13.14@48.49,76
  BOTTOM w0.1: RR14.6@44.87,77.72 v1(44.87,78.322)
NetRR13_15: pad.1@43.005,77.095 RR13.15 RR14.7 | length 6.5
  TOP w0.1: v1(44.37,76.925) 44.37,76.85 44.47,76.75 47.042,76.75 47.392,76.4 47.89,76.4 47.99,76.3 RR13.15@47.99,76
  BOTTOM w0.1: pad.1@43.005,77.095 43.175,76.925 v1(44.37,76.925) RR14.7@44.37,77.72
NetRR13_16: pad.1@42.516,78.12 RR13.16 RR14.8 | length 7.1
  TOP w0.1: v1(43.368,78.12) 43.368,77.062 43.88,76.55 46.931,76.55 47.381,76.1 47.39,76.1 RR13.16@47.49,76
  BOTTOM w0.1: pad.1@42.516,78.12 v1(43.368,78.12) 43.47,78.12 RR14.8@43.87,77.72
NetTP68_1: TP68.1 U22.31 | length 4.4
  TOP w0.2: U22.31@25.05,54.16 25.05,52.58 TP68.1@27.03,50.6
NetU23_1: U23.1 Y4.2 | length 2
  TOP w0.2: U23.1@53.37,68.49 53.37,66.51 Y4.2@53.38,66.5
NetU23_2: U23.2 Y4.1 | length 2.1
  TOP w0.2: Y4.1@54.48,66.5 54.64,66.66 U23.2@54.64,68.49
NRST: J2.172 TP59.1 | length 8.9
  BOTTOM w0.1: J2.172@22.31,17.06 22.31,19.584 22.35,19.624 22.35,22.254 23.121,23.025 24.955,23.025 v1(25.53,23.6)
PERST_MPCIE: R250.2 U25.8 | length 1.4
  BOTTOM w0.2: R250.2@63.2,83.4 63.41,83.19 63.981,83.19 64.077,83.094 U25.8@64.437,83.094
PW_EN_LED: pad.1@76.46,57.56 Q13.1 Q16.1 R273.1 U25.10 | length 70.4
  TOP w0.2: v1(75.665,56.765) 75.665,54.965 Q13.1@76.43,54.2 ; R273.1@79.33,40.45 v1(79.33,41.16) 80.18,42.01 Q16.1@80.18,42.15
  INT1 w0.2: v1(66.68,85.12) 66.78,85.22 68.729,85.22 69.31,84.639 69.31,83.55 67.93,82.17 67.93,80.5 68.63,79.8 73.29,79.8 76.99,76.1 78.14,76.1 81.47,72.77 81.47,65.76 76.48,60.77 v1(76.46,60.77)
  INT2 w0.2: v1(75.665,56.765) 75.665,54.335 73.56,52.23 73.56,43.26 75.66,41.16 v1(79.33,41.16)
  BOTTOM w0.2: U25.10@66.05,83.669 66.05,84.49 v1(66.68,85.12) ; v1(75.665,56.765) pad.1@76.46,57.56 v1(76.46,60.77)
PW_ON_3V3: MOD2.26 pad.1@19.48,28.2 R180.1 U20.3 | length 48.3
  TOP w0.1: MOD2.26@1.48,29.5 v1(1.48,31.1) ; v1(39.84,30.29) 40.26,30.71 41.45,30.71 41.82,30.34 41.82,29.3 R180.1@42.35,28.77
  TOP w0.3: R180.1@42.35,28.77 42.77,28.35 U20.3@42.77,27.515
  BOTTOM w0.1: v1(1.48,31.1) 1.48,29.83 1.61,29.7 17.39,29.7 18.89,28.2 pad.1@19.48,28.2 31.33,28.2 31.98,28.85 38.4,28.85 v1(39.84,30.29)
PW_ON_5V: MOD2.17 pad.1@9.21,25.05 Q17.1 R274.1 | length 53.3
  TOP w0.1: MOD2.17@8.83,25.05 v1(10.43,25.05) ; v1(51.105,28.3) 51.565,27.84 53.22,27.84 R274.1@53.68,28.3
  TOP w0.3: R274.1@53.68,28.3 Q17.1@53.68,29.85
  BOTTOM w0.1: pad.1@9.21,25.05 v1(10.43,25.05) 10.43,24.944 10.055,24.57 10.055,23.153 10.698,22.51 15.397,22.51 15.987,23.1 18.747,23.1 19.947,24.3 24.93,24.3 26.83,26.2 30.247,26.2 32.547,28.5 50.86,28.5 51.06,28.3 v1(51.105,28.3)
RF_OUT_50OHM: MOD1.N4 U26.5 | length 8
  TOP w0.25: U26.5@12.43,10.5 12.43,11.298 cw(c12.748,11.298) 12.523,11.523 15.497,14.497 cw(c15.722,14.272) 15.722,14.59 MOD1.N4@18.25,14.59
RST_MCU: C91.1 MOD2.30 pad.1@1.31,36.05 R118.1 R311.1 RR4.5 | length 161.7
  TOP w0.2: MOD2.30@-3.32,29.5 v1(-3.32,31.052)
  INT1 w0.1: v1(42.38,67.95) 42.38,69.35 43.23,70.2 48.93,70.2 49.001,70.271 53.259,70.271 55.53,68 60.23,68 62.805,70.575 62.805,74.705 62.41,75.1 60.73,75.1 60.13,75.7 60.13,76.8 60.53,77.2 60.53,78.8 62.03,80.3 62.03,82.3 63.73,84 v1(63.73,84.8)
  INT2 w0.1: v1(8.605,35.042) 8.605,38.053 7.648,39.01 0.32,39.01 -0.07,39.4 -0.07,41.233 -4.74,45.903 -4.74,67.064 -1.904,69.9 2.626,69.9 9.326,76.6 13.239,76.6 16.06,73.779 16.06,70.963 16.773,70.25 22.947,70.25 23.997,71.3 30.381,71.3 31.831,69.85 40.48,69.85 v1(42.38,67.95)
  BOTTOM w0.2: v1(-3.32,31.052) -3.84,31.572 C91.1@-3.84,32.74 -3.84,34.73 -2.52,36.05 pad.1@1.31,36.05 RR4.5@4.46,36.05 4.46,35.942 5.302,35.1 7.53,35.1 8.25,34.38 R118.1@8.46,34.38 8.46,34.897 v1(8.605,35.042) ; v1(63.73,84.8) 63.83,84.9 64.46,84.9 R311.1@64.55,84.99

## Text inside footprints (layer, text, board x,y; h text height)
RR13: PIN_NUMBER "1" at 47.41,74.5 h0.2; PIN_NUMBER "4" at 48.91,74.5 h0.2; PIN_NUMBER "3" at 48.41,74.5 h0.2; PIN_NUMBER "2" at 47.91,74.5 h0.2; PIN_NUMBER "5" at 49.41,74.5 h0.2; PIN_NUMBER "6" at 49.91,74.5 h0.2; PIN_NUMBER "7" at 50.41,74.5 h0.2; PIN_NUMBER "8" at 50.91,74.5 h0.2; PIN_NUMBER "9" at 50.91,76 h0.2; PIN_NUMBER "10" at 50.33,76 h0.2; PIN_NUMBER "11" at 49.83,76 h0.2; PIN_NUMBER "12" at 49.33,76 h0.2; PIN_NUMBER "13" at 48.83,76 h0.2; PIN_NUMBER "14" at 48.33,76 h0.2; PIN_NUMBER "15" at 47.83,76 h0.2; PIN_NUMBER "16" at 47.33,76 h0.2
RR14: PIN_NUMBER "9" at 43.79,79.22 h0.2; PIN_NUMBER "10" at 44.21,79.22 h0.2; PIN_NUMBER "11" at 44.71,79.22 h0.2; PIN_NUMBER "12" at 45.21,79.22 h0.2; PIN_NUMBER "13" at 45.71,79.22 h0.2; PIN_NUMBER "14" at 46.21,79.22 h0.2; PIN_NUMBER "15" at 46.71,79.22 h0.2; PIN_NUMBER "16" at 47.21,79.22 h0.2; PIN_NUMBER "1" at 47.29,77.72 h0.2; PIN_NUMBER "2" at 46.79,77.72 h0.2; PIN_NUMBER "3" at 46.29,77.72 h0.2; PIN_NUMBER "4" at 45.79,77.72 h0.2; PIN_NUMBER "5" at 45.29,77.72 h0.2; PIN_NUMBER "6" at 44.79,77.72 h0.2; PIN_NUMBER "7" at 44.29,77.72 h0.2; PIN_NUMBER "8" at 43.79,77.72 h0.2
RR15: PIN_NUMBER "10" at 57.22,15.55 h0.2; PIN_NUMBER "7" at 57.3,14.05 h0.2; PIN_NUMBER "8" at 57.8,14.05 h0.2; PIN_NUMBER "9" at 57.8,15.55 h0.2; PIN_NUMBER "12" at 56.22,15.55 h0.2; PIN_NUMBER "13" at 55.72,15.55 h0.2; PIN_NUMBER "14" at 55.22,15.55 h0.2; PIN_NUMBER "15" at 54.72,15.55 h0.2; PIN_NUMBER "16" at 54.22,15.55 h0.2; PIN_NUMBER "11" at 56.72,15.55 h0.2; PIN_NUMBER "1" at 54.3,14.05 h0.2; PIN_NUMBER "2" at 54.8,14.05 h0.2; PIN_NUMBER "3" at 55.3,14.05 h0.2; PIN_NUMBER "4" at 55.8,14.05 h0.2; PIN_NUMBER "5" at 56.3,14.05 h0.2; PIN_NUMBER "6" at 56.8,14.05 h0.2
TP1: PIN_NUMBER "1" at 47.091,10.065 h0.2
TP2: PIN_NUMBER "1" at 45.891,10.065 h0.2
TP3: PIN_NUMBER "1" at 44.691,10.065 h0.2
TP4: PIN_NUMBER "1" at 43.491,10.065 h0.2
TP5: PIN_NUMBER "1" at 42.291,10.065 h0.2
TP6: PIN_NUMBER "1" at 41.091,10.065 h0.2
TP21: PIN_NUMBER "1" at -4.322,39.539 h0.2
TP41: PIN_NUMBER "1" at 64.399,29.315 h0.2
TP46: PIN_NUMBER "1" at 80.079,75.415 h0.2
TP47: PIN_NUMBER "1" at 81.079,68.715 h0.2
TP49: PIN_NUMBER "1" at 81.079,66.215 h0.2
TP50: PIN_NUMBER "1" at 81.179,71.015 h0.2
TP55: PIN_NUMBER "1" at 74.079,61.115 h0.2
TP56: PIN_NUMBER "1" at 73.879,59.815 h0.2
TP57: PIN_NUMBER "1" at 74.479,57.415 h0.2
TP58: PIN_NUMBER "1" at 74.279,56.215 h0.2
TP59: PIN_NUMBER "1" at 25.461,23.515 h0.2
TP60: PIN_NUMBER "1" at 24.261,23.515 h0.2
TP61: PIN_NUMBER "1" at 23.061,23.515 h0.2
TP62: PIN_NUMBER "1" at 21.861,23.515 h0.2
TP63: PIN_NUMBER "1" at 20.661,23.515 h0.2
TP64: PIN_NUMBER "1" at 56.179,43.915 h0.2
TP65: PIN_NUMBER "1" at 23.361,50.515 h0.2
TP66: PIN_NUMBER "1" at 24.561,50.515 h0.2
TP67: PIN_NUMBER "1" at 25.761,50.515 h0.2
TP68: PIN_NUMBER "1" at 26.961,50.515 h0.2
TP69: PIN_NUMBER "1" at 28.161,50.515 h0.2
TP70: PIN_NUMBER "1" at 6.279,38.515 h0.2
TP71: PIN_NUMBER "1" at 4.879,38.515 h0.2
TP72: PIN_NUMBER "1" at 3.479,38.515 h0.2
TP84: PIN_NUMBER "1" at 2.079,38.515 h0.2
TVS1: PIN_NUMBER "1" at 38.259,54.07 h0.2; PIN_NUMBER "2" at 42.948,54.038 h0.2
TVS2: PIN_NUMBER "7" at 51.52,20.46 h0.2 r90; PIN_NUMBER "8" at 51.52,20.96 h0.2 r90; PIN_NUMBER "6" at 51.52,19.96 h0.2 r90; PIN_NUMBER "3" at 50.24,20.46 h0.2 r90; PIN_NUMBER "2" at 50.24,20.96 h0.2 r90; PIN_NUMBER "1" at 50.24,21.46 h0.2 r90; PIN_NUMBER "4" at 50.24,19.96 h0.2 r90; PIN_NUMBER "9" at 51.52,21.46 h0.2 r90; PIN_NUMBER "5" at 50.88,19.85 h0.2 r90; PIN_NUMBER "10" at 50.8,21.57 h0.2 r90
TVS3: PIN_NUMBER "3" at 10.442,49.646 h0.2 r180; PIN_NUMBER "5" at 11.935,48.648 h0.2 r180; PIN_NUMBER "1" at 10.446,48.644 h0.2 r180; PIN_NUMBER "2" at 10.439,49.149 h0.2 r180; PIN_NUMBER "4" at 11.921,49.653 h0.2 r180
TVS4: PIN_NUMBER "3" at 10.267,53.886 h0.2 r180; PIN_NUMBER "5" at 11.76,52.888 h0.2 r180; PIN_NUMBER "1" at 10.271,52.884 h0.2 r180; PIN_NUMBER "2" at 10.264,53.389 h0.2 r180; PIN_NUMBER "4" at 11.746,53.893 h0.2 r180
TVS5: PIN_NUMBER "3" at 10.696,77.928 h0.2 r90; PIN_NUMBER "5" at 9.698,76.435 h0.2 r90; PIN_NUMBER "1" at 9.694,77.924 h0.2 r90; PIN_NUMBER "2" at 10.199,77.931 h0.2 r90; PIN_NUMBER "4" at 10.703,76.449 h0.2 r90
TVS6: PIN_NUMBER "5" at 49.39,78.4 h0.2; PIN_NUMBER "9" at 51,77.76 h0.2; PIN_NUMBER "4" at 49.5,79.04 h0.2; PIN_NUMBER "1" at 51,79.04 h0.2; PIN_NUMBER "2" at 50.5,79.04 h0.2; PIN_NUMBER "3" at 50,79.04 h0.2; PIN_NUMBER "8" at 50.5,77.76 h0.2; PIN_NUMBER "7" at 50,77.76 h0.2; PIN_NUMBER "6" at 49.5,77.76 h0.2; PIN_NUMBER "10" at 51.03,78.4 h0.2
TVS7: PIN_NUMBER "5" at 58.35,75.82 h0.2; PIN_NUMBER "9" at 59.96,75.18 h0.2; PIN_NUMBER "4" at 58.46,76.46 h0.2; PIN_NUMBER "1" at 59.96,76.46 h0.2; PIN_NUMBER "2" at 59.46,76.46 h0.2; PIN_NUMBER "3" at 58.96,76.46 h0.2; PIN_NUMBER "8" at 59.46,75.18 h0.2; PIN_NUMBER "7" at 58.96,75.18 h0.2; PIN_NUMBER "10" at 59.99,75.82 h0.2; PIN_NUMBER "6" at 58.46,75.18 h0.2
TVS15: PIN_NUMBER "1" at 79.41,6.29 h0.2; PIN_NUMBER "2" at 81.97,6.29 h0.2
TVS16: PIN_NUMBER "2" at 65.832,10.722 h0.2 r180; PIN_NUMBER "1" at 70.521,10.69 h0.2 r180
TVS17: PIN_NUMBER "3" at 71.976,58.692 h0.2 r90; PIN_NUMBER "5" at 70.978,60.185 h0.2 r90; PIN_NUMBER "1" at 70.974,58.696 h0.2 r90; PIN_NUMBER "2" at 71.479,58.689 h0.2 r90; PIN_NUMBER "4" at 71.984,60.171 h0.2 r90
TVS18: PIN_NUMBER "4" at 57.65,79.1 h0.2; PIN_NUMBER "9" at 59.15,77.82 h0.2; PIN_NUMBER "5" at 57.54,78.46 h0.2; PIN_NUMBER "1" at 59.15,79.1 h0.2; PIN_NUMBER "2" at 58.65,79.1 h0.2; PIN_NUMBER "8" at 58.65,77.82 h0.2; PIN_NUMBER "7" at 58.15,77.82 h0.2; PIN_NUMBER "10" at 59.18,78.46 h0.2; PIN_NUMBER "3" at 58.15,79.1 h0.2; PIN_NUMBER "6" at 57.65,77.82 h0.2
TVS19: PIN_NUMBER "3" at 11.158,45.266 h0.2 r180; PIN_NUMBER "5" at 9.665,44.268 h0.2 r180; PIN_NUMBER "1" at 11.154,44.264 h0.2 r180; PIN_NUMBER "2" at 11.161,44.769 h0.2 r180; PIN_NUMBER "4" at 9.679,45.273 h0.2 r180
U1: PIN_NUMBER "10" at 67.421,24.39 h0.2; PIN_NUMBER "24" at 68.381,28.327 h0.2 r90; PIN_NUMBER "23" at 68.781,28.327 h0.2 r90; PIN_NUMBER "12" at 68.593,24.259 h0.2 r270; PIN_NUMBER "11" at 68.193,24.259 h0.2 r270; PIN_NUMBER "4" at 67.501,26.79 h0.2; PIN_NUMBER "13" at 69.506,24.408 h0.2; PIN_NUMBER "5" at 67.501,26.39 h0.2; PIN_NUMBER "18" at 69.506,26.408 h0.2; PIN_NUMBER "14" at 69.506,24.808 h0.2; PIN_NUMBER "15" at 69.506,25.208 h0.2; PIN_NUMBER "16" at 69.506,25.608 h0.2; PIN_NUMBER "17" at 69.506,26.008 h0.2; PIN_NUMBER "19" at 69.506,26.808 h0.2; PIN_NUMBER "20" at 69.506,27.208 h0.2; PIN_NUMBER "21" at 69.506,27.608 h0.2; PIN_NUMBER "22" at 69.506,28.008 h0.2; PIN_NUMBER "3" at 67.501,27.19 h0.2; PIN_NUMBER "2" at 67.501,27.59 h0.2; PIN_NUMBER "1" at 67.501,27.99 h0.2; PIN_NUMBER "9" at 67.501,24.79 h0.2; PIN_NUMBER "8" at 67.501,25.19 h0.2; PIN_NUMBER "7" at 67.501,25.59 h0.2; PIN_NUMBER "6" at 67.501,25.99 h0.2
U10: PIN_NUMBER "2" at 10.044,50.752 h0.2 r180; PIN_NUMBER "1" at 10.991,50.745 h0.2 r180; PIN_NUMBER "4" at 9.114,48.056 h0.2 r180; PIN_NUMBER "3" at 9.105,50.756 h0.2 r180; PIN_NUMBER "5" at 10.989,48.075 h0.2 r180
U12: PIN_NUMBER "5" at 12.619,54.735 h0.2 r180; PIN_NUMBER "4" at 10.744,54.716 h0.2 r180; PIN_NUMBER "3" at 10.735,57.416 h0.2 r180; PIN_NUMBER "1" at 12.621,57.405 h0.2 r180; PIN_NUMBER "2" at 11.674,57.412 h0.2 r180
U13: PIN_NUMBER "6" at 13.177,61.29 h0.2 r90; PIN_NUMBER "7" at 13.177,60.89 h0.2 r90; PIN_NUMBER "10" at 12.017,60.185 h0.2 r90; PIN_NUMBER "2" at 11.977,61.29 h0.2 r90; PIN_NUMBER "1" at 11.977,60.89 h0.2 r90; PIN_NUMBER "5" at 12.977,61.89 h0.2 r90; PIN_NUMBER "4" at 12.577,61.89 h0.2 r90; PIN_NUMBER "8" at 12.977,60.29 h0.2 r90; PIN_NUMBER "3" at 12.177,61.89 h0.2 r90; PIN_NUMBER "9" at 12.577,60.29 h0.2 r90